# Altium PCB Dahlia Carrier Board.PcbDoc (part 5 of 10)
Units mm, origin at the board's own origin, x right, y up, seen from the top; angles counter-clockwise.
Board outline 120 x 120 mm, 6 copper layers (Top Layer, GND, Layer 1, Layer 2, GND2, Bottom Layer), stack 1.558 mm thick; 879 components, 677 nets, 3194 pads, 1445 vias.
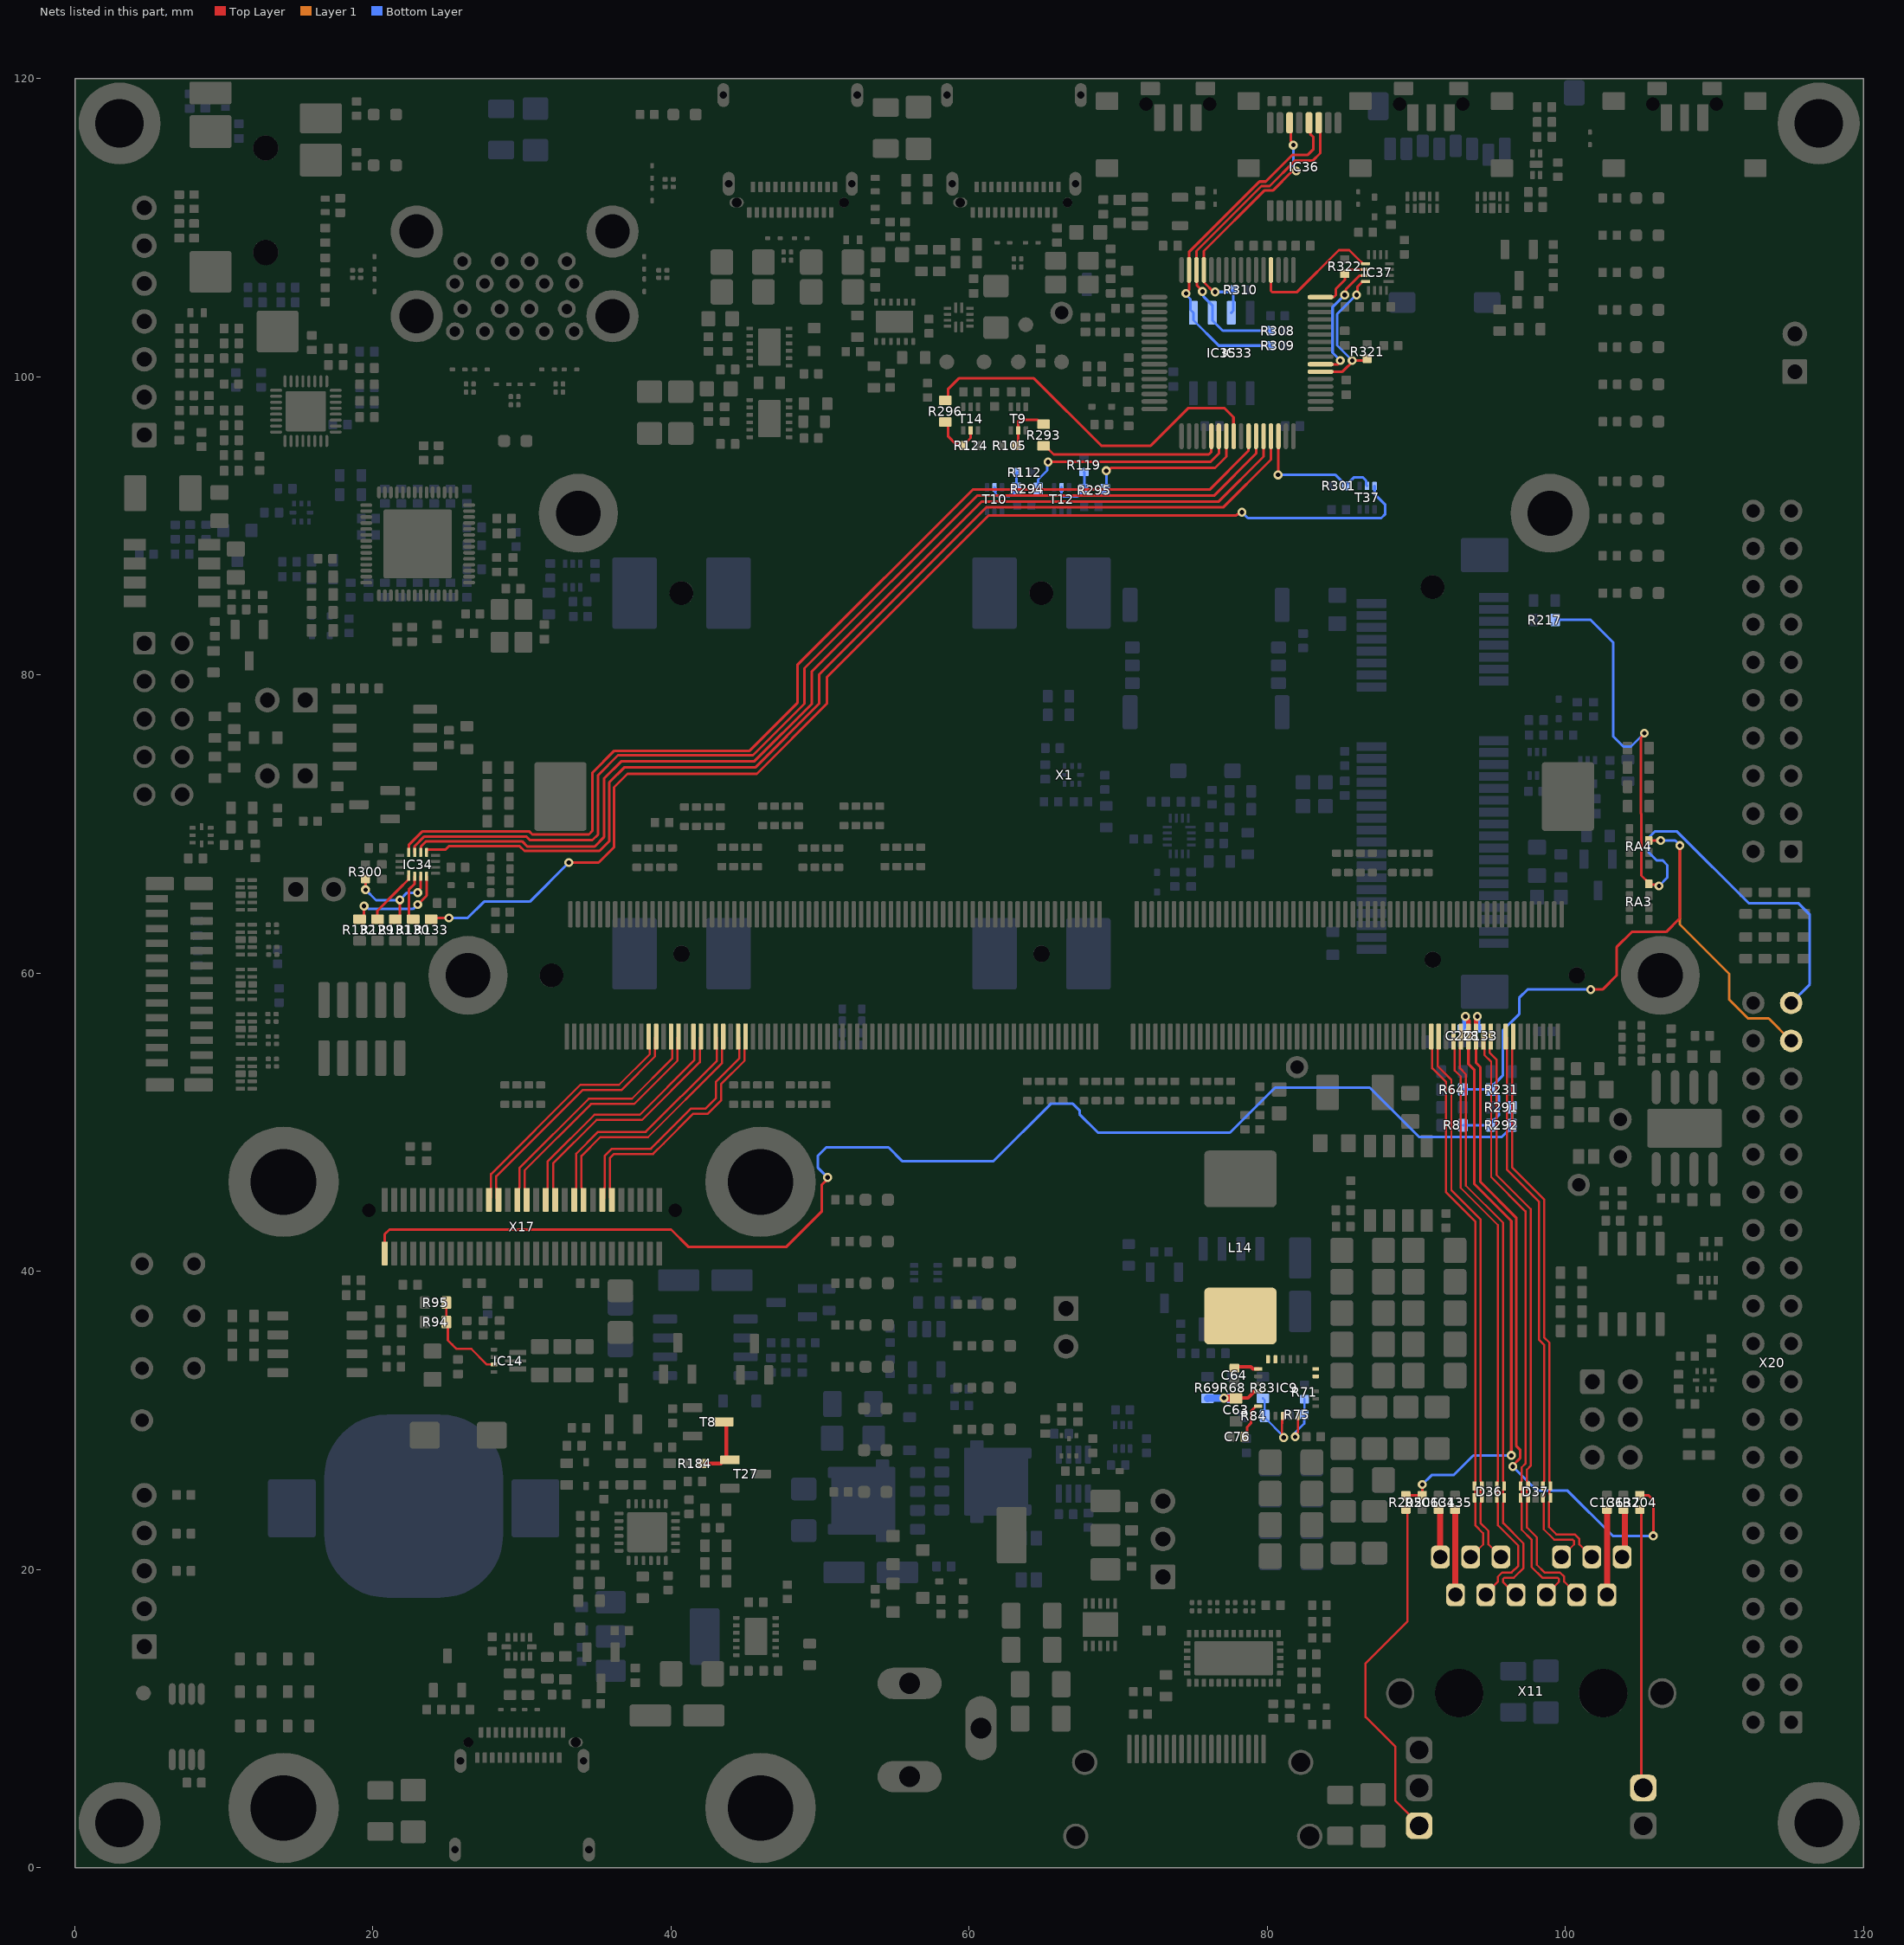
[diagram p9: the nets of this part, all layers, seen from the top]

## Via types
v1: diameter 0.6, hole 0.3, Top Layer to Bottom Layer, tented both sides, 1316 vias
v2: diameter 0.6/0/0/0/0/0.6 (per signal layer), hole 0.3, Top Layer to Bottom Layer, tented both sides, 70 vias
v3: diameter 0.6, hole 0.3, Top Layer to Bottom Layer, 58 vias
v4: diameter 0.6/0.6/0.6/0.6/0.6/0.6 (per signal layer), hole 0.3, Top Layer to Bottom Layer, tented both sides, 1 vias

## Nets (pads, with @x,y where several pads share a name; then routed paths per layer and width w, separated by ;. In a path a pad name is that pad's centre, name@x,y a point inside that pad or via, vN(x,y) a via of type N, cw(c..) or ccw(c..) an arc to the next point about the centre after c; other vN are vias at no path point) (continued)
CTRL_SLEEP_MOCI#: R8.1 R64.1 R231.1 R292.2 RA4.6 X20.37 | length 51.9
  Top Layer w0.15: RA4.6@105.6,68.9 v1(106.4,68.9)
  Top Layer w0.175: v1(101.7,58.9) 102.5,58.9 103.437,59.837 103.437,61.737 104.463,62.763 106.763,62.763 107.684,63.684 v1(107.684,68.557)
  Layer 1 w0.175: v1(107.684,68.557) 107.684,63.266 110.987,59.963 110.987,58.226 112.25,56.963 113.647,56.963 X20.37@115.15,55.46
  Bottom Layer w0.175: R8.1@93.125,49.8 R292.2@94.975,49.8 94.975,49.9 95.55,50.475 95.55,51.76 95.447,51.862 95.212,51.862 94.975,52.1 R231.1@94.975,52.2 ; R64.1@93.125,52.2 R231.1@94.975,52.2 ; v1(101.7,58.9) 97.46,58.9 96.9,58.34 96.9,57.25 95.802,56.152 95.802,55.375 95.8,55.373 95.8,53.125 94.975,52.3 R231.1@94.975,52.2 ; v1(106.4,68.9) 107.376,68.9 107.684,68.592 v1(107.684,68.557)
CTRL_WAKE1_MICO#: R217.1 RA3.5 X20.39 | length 48.9
  Top Layer w0.175: v1(105.3,76.1) 105.3,76.022 105.062,75.785 105.062,70.724 105.1,70.687 105.1,66.55 105.6,66.05 RA3.5@105.6,66.038 ; RA3.5@105.6,66 RA3.5@105.6,66.038 ; v1(106.284,65.857) 106.212,65.928 105.709,65.928 RA3.5@105.6,66.038
  Layer 1 w0.175: X20.39@115.15,58 X20.39@115.3,58.15
  Bottom Layer w0.175: R217.1@99.325,83.7 101.7,83.7 103.2,82.2 103.2,75.9 103.9,75.2 104.4,75.2 v1(105.3,76.1) ; v1(106.284,65.857) 106.842,66.415 106.842,67.25 106.518,67.574 106.109,67.574 105.6,68.084 105.6,69.1 106,69.5 107.5,69.5 112.3,64.7 115.627,64.7 116.402,63.925 116.402,59.252 X20.39@115.15,58
DBG_FORCE_OFF#: R105.1 R293.2 T9.2 | length 3.5
  Top Layer w0.175: R105.1@63.18,95.4 63.18,95.5 63.277,95.597 63.277,95.703 63.3,95.725 T9.2@63.3,96.41 ; T9.2@63.252,96.463 63.287,96.497 63.287,97.022 63.39,97.125 64.6,97.125 64.9,96.825 R293.2@65,96.825
DBG_PWR_BTN#: R119.1 R295.2 T12.2 | length 3.5
  Bottom Layer w0.175: T12.2@66.2,92.59 66.2,92.1 66.325,91.975 67.25,91.975 67.337,92.063 67.437,92.063 67.675,92.3 R295.2@67.675,92.4 67.72,92.445 67.72,93.6 R119.1@67.7,93.62
DBG_RECOVERY#: R124.1 R296.2 T14.2 | length 3.5
  Top Layer w0.175: R296.2@58.4,96.975 58.6,96.775 58.6,96 59.1,95.5 59.472,95.5 59.572,95.4 R124.1@59.62,95.4 59.62,95.425 60.1,95.905 T14.2@60.1,96.41
DBG_RESET#: R112.1 R294.2 T10.2 | length 3.3
  Bottom Layer w0.175: T10.2@61.7,92.59 61.762,92.528 61.762,92.138 61.875,92.025 62.7,92.025 62.837,92.163 62.937,92.163 63.175,92.4 R294.2@63.175,92.5 63.175,93.555 R112.1@63.22,93.6
DCDC1_FB1: IC9.5 R71.1 R75.2 | length 4.3
  Top Layer w0.15: v1(81.875,28.9) 81.875,29.022 82.05,29.197 IC9.5@82.05,30.3
  Bottom Layer w0.15: v1(81.875,28.9) 81.875,29.175 82.48,29.78 R75.2@82.48,30.4 82.5,30.42 R71.1@82.5,31.42
DCDC1_LX: C64.1 IC9.10 IC9.11 IC9.16 IC9.17 IC9.18 L14.1 | length 1.7
  Top Layer w0.25: C64.1@77.8,33.515 77.885,33.6 78.9,33.6 79.05,33.45 IC9.18@79.4,33.45
DCDC1_PFM: IC9.3 R83.2 R84.1 | length 4.7
  Top Layer w0.15: IC9.3@81.05,30.3 81,30.25 81,29.808 80.999,29.807 80.999,29.073 81.1,28.972 v1(81.1,28.85)
  Bottom Layer w0.15: R83.2@79.7,31.475 79.825,31.35 R84.1@79.825,30.3 79.825,30.2 81.1,28.925 v1(81.1,28.85)
DCDC1_SS: C76.2 IC9.22 | length 2.5
  Top Layer w0.175: C76.2@78.49,28.9 78.664,29.074 78.664,29.564 78.9,29.8 78.9,30.6 79.25,30.95 IC9.22@79.4,30.95
DCDC1_VCC: C63.2 IC9.21 R68.2 R69.1 | length 4.2
  Top Layer w0.25: C63.2@77.894,31.481 77.913,31.5 78.7,31.5 79.15,31.95 IC9.21@79.4,31.95
  Top Layer w0.5: v1(77.1,31.5) 77.875,31.5 77.887,31.488 C63.2@77.9,31.475
  Bottom Layer w0.5: R69.1@76,31.475 76.012,31.488 77.087,31.488 v1(77.1,31.5) 77.112,31.488 77.688,31.488 R68.2@77.7,31.475
DCDC2_PFM: IC14.6 R94.2 R95.1 | length 6.3
  Top Layer w0.15: R95.1@24.925,37.9 24.925,36.7 R94.2@24.925,36.6 25.025,36.5 25.025,35.375 25.321,35.079 25.321,35.075 25.575,34.821 25.579,34.821 25.6,34.8 26.6,34.8 27.65,33.75 IC14.6@28.12,33.75
DSI_1_CLK_N: X1.35 X17.26 | length 16.9
  Top Layer w0.144: X17.26@31.588,44.8 31.715,44.928 31.715,45.6 31.728,45.612 31.728,47.378 34.85,50.5 37.899,50.5 41.573,54.174 41.573,55.677 X1.35@41.5,55.75
DSI_1_CLK_P: X1.37 X17.24 | length 16.9
  Top Layer w0.144: X17.24@32.223,44.8 32.095,44.928 32.095,45.6 32.082,45.612 32.082,47.231 34.997,50.146 38.046,50.146 41.927,54.027 41.927,55.677 X1.37@42,55.75
DSI_1_D0_N: X1.47 X17.14 | length 16.9
  Top Layer w0.144: X17.14@35.398,44.8 35.525,44.928 35.525,45.6 35.538,45.612 35.538,47.739 36.024,48.225 38.65,48.225 39.146,48.721 41.35,50.925 42.325,50.925 43,51.6 43,52.7 44.573,54.273 44.573,54.618 ; X1.47@44.5,55.75 44.573,55.677 44.573,54.618
DSI_1_D0_P: X1.49 X17.12 | length 16.9
  Top Layer w0.144: X17.12@36.033,44.8 35.905,44.928 35.905,45.6 35.892,45.612 35.892,47.592 36.171,47.871 38.797,47.871 39.5,48.574 41.497,50.571 42.472,50.571 43.354,51.453 43.354,52.553 44.927,54.126 44.927,54.471 ; 44.927,54.472 44.927,55.677 X1.49@45,55.75
DSI_1_D1_N: X1.41 X17.20 | length 16.8
  Top Layer w0.144: X17.20@33.493,44.8 33.62,44.928 33.62,45.6 33.633,45.612 33.633,47.883 35.104,49.354 38.304,49.354 43.073,54.123 43.073,55.677 X1.41@43,55.75
DSI_1_D1_P: X1.43 X17.18 | length 16.8
  Top Layer w0.144: X17.18@34.128,44.8 34,44.928 34,45.6 33.987,45.612 33.987,47.736 35.251,49 38.451,49 43.427,53.976 43.427,55.677 X1.43@43.5,55.75
DSI_1_D2_N: X1.29 X17.32 | length 17
  Top Layer w0.144: X17.32@29.683,44.8 29.81,44.928 29.81,45.6 29.823,45.612 29.823,46.924 34.478,51.579 37.378,51.579 40.073,54.274 40.073,55.677 X1.29@40,55.75
DSI_1_D2_P: X1.31 X17.30 | length 17
  Top Layer w0.144: X17.30@30.318,44.8 30.19,44.928 30.19,45.6 30.177,45.612 30.177,46.777 34.625,51.225 37.525,51.225 40.427,54.127 40.427,55.677 X1.31@40.5,55.75
DSI_1_D3_N: X1.23 X17.38 | length 17
  Top Layer w0.144: X17.38@27.778,44.8 27.905,44.928 27.905,45.6 27.918,45.612 27.918,46.519 33.909,52.51 36.509,52.51 38.573,54.574 38.573,55.677 X1.23@38.5,55.75
DSI_1_D3_P: X1.25 X17.36 | length 17
  Top Layer w0.144: X17.36@28.413,44.8 28.285,44.928 28.285,45.6 28.272,45.612 28.272,46.372 34.056,52.156 36.656,52.156 38.927,54.427 38.927,55.677 X1.25@39,55.75
DSI_1_PWR_EN: R291.1 R292.1 X17.59 | length 90.3
  Top Layer w0.175: X17.59@20.793,41.2 20.793,42.493 21.1,42.8 40,42.8 41.15,41.65 47.75,41.65 50.1,44 50.1,45.785 50.5,46.185 v1(50.5,46.3)
  Bottom Layer w0.175: v1(50.5,46.3) 49.859,46.941 49.859,47.759 50.413,48.312 54.588,48.312 55.5,47.4 61.64,47.4 65.477,51.237 66.963,51.237 67.4,50.8 67.4,50.54 68.64,49.3 77.5,49.3 80.525,52.325 86.877,52.325 90.202,49 95.725,49 96.425,49.7 R292.1@96.425,49.8 R291.1@96.425,51
EECLK: IC33.62 IC35.2 IC36.11 R308.1 | length 22.3
  Top Layer w0.175: v1(75.65,105.725) 75.65,105.775 75.274,106.151 75.274,107.151 IC33.62@75.25,107.175 75.25,108.448 79.604,112.802 80.155,112.802 81.853,114.5 83.05,114.5 83.55,115 IC36.11@83.55,117.05
  Bottom Layer w0.175: v1(75.65,105.725) 75.731,105.644 75.731,105.384 76.315,104.8 IC35.2@76.315,104.3 76.315,103.8 77.015,103.1 R308.1@80.22,103.1
EECS: IC33.63 IC35.1 IC36.12 R309.1 | length 23.8
  Top Layer w0.175: v1(74.55,105.6) 74.55,105.625 74.75,105.825 IC33.63@74.75,107.175 74.75,108.375 79.479,113.104 79.904,113.104 81.7,114.9 82.725,114.9 83.1,115.275 83.1,116.075 82.903,116.272 82.903,117.047 IC36.12@82.9,117.05
  Bottom Layer w0.175: v1(74.55,105.6) 74.55,105.525 74.849,105.226 74.849,104.496 IC35.1@75.045,104.3 75.045,103.8 76.745,102.1 R309.1@80.22,102.1
EEDATA: IC33.61 IC35.3 IC36.14 R310.2 | length 17.8
  Top Layer w0.175: v1(76.5,105.7) 76.403,105.7 75.774,106.329 75.774,107.151 IC33.61@75.75,107.175 75.75,108.45 79.8,112.5 80.373,112.5 81.684,113.811 v1(81.944,113.811) ; IC36.14@81.588,117.038 81.588,115.828 81.75,115.665 v1(81.75,115.55)
  Bottom Layer w0.175: v1(76.5,105.7) 77.57,105.7 R310.2@77.72,105.85 77.72,104.435 IC35.3@77.585,104.3 ; v1(81.75,115.55) 81.75,114.12 81.944,113.926 v1(81.944,113.811)
ETH_1_CTREF_0: C134.1 X11.12 | length 3.2
  Top Layer w0.4: C134.1@91.5,24.01 91.6,23.91 91.6,20.939 91.616,20.924 X11.12@91.616,20.84
ETH_1_CTREF_1: C135.1 X11.6 | length 5.7
  Top Layer w0.4: C135.1@92.6,24.01 92.616,23.994 92.616,18.316 X11.6@92.632,18.3
ETH_1_CTREF_2: C136.1 X11.1 | length 5.7
  Top Layer w0.4: X11.1@102.792,18.3 102.796,18.304 102.796,24.006 C136.1@102.8,24.01
ETH_1_CTREF_3: C137.1 X11.7 | length 3.3
  Top Layer w0.4: X11.7@103.808,20.84 103.891,20.84 104,20.949 104,23.91 C137.1@103.9,24.01
ETH_1_LED_1: C133.2 R204.2 X1.237 | length 47.4
  Top Layer w0.175: X1.237@94,55.75 94,54 94.3,53.7 94.3,46 96.7,43.6 96.7,28.3 96.961,28.039 96.961,27.461 96.475,26.975 v1(96.475,26.9) ; R204.2@105,24.98 105.57,24.98 105.9,24.65 v1(105.9,22.25)
  Top Layer w0.3: X1.237@94,55.75 94,56.919 94.1,57.019 v1(94.1,57.1)
  Bottom Layer w0.175: v1(96.475,26.9) 98.073,25.302 100.126,25.302 103.178,22.25 v1(105.9,22.25)
  Bottom Layer w0.3: v1(94.1,57.1) 94.157,57.043 94.157,56.43 94.297,56.29 C133.2@94.3,56.29
  Bottom Layer w0.5: v1@94.1,57.073 v1(94.1,57.1)
ETH_1_LED_1_C: R204.1 X11.13 | length 18.9
  Top Layer w0.175: R204.1@105,24.02 105.1,23.92 105.1,5.56 105.314,5.346 X11.13@105.23,5.346
ETH_1_LED_2: C228.2 R205.2 R206.2 X1.235 | length 40.2
  Top Layer w0.175: R205.2@89.3,24.98 R206.2@90.4,24.98 v1(90.4,25.7) ; X1.235@93.5,55.75 93.5,53.9 93.9,53.5 93.9,45.85 96.375,43.375 v1(96.375,27.65)
  Top Layer w0.3: v1(93.3,57.1) 93.3,57.001 93.5,56.801 X1.235@93.5,55.75
  Bottom Layer w0.175: v1(90.4,25.7) 91.025,26.325 92.5,26.325 93.825,27.65 v1(96.375,27.65)
  Bottom Layer w0.3: C228.2@93.1,56.29 93.103,56.29 93.243,56.43 93.243,57.043 v1(93.3,57.1)
  Bottom Layer w0.5: v1@93.3,57.073 v1(93.3,57.1)
ETH_1_LED_2_C: R205.1 X11.17 | length 24
  Top Layer w0.15: R205.1@89.3,24.02 89.4,23.92 89.4,16.5 86.6,13.7 86.6,10.1 88.6,8.1 88.6,4.483 90.235,2.848 90.277,2.806 X11.17@90.193,2.806
ETH_1_MDI0_N: D36.2 D36.9 X1.227 X11.10 | length 36.8
  Top Layer w0.144: X1.227@91.5,55.75 91.427,55.677 91.427,53.774 92.354,52.847 92.354,45.446 94.327,43.473 94.327,25.925 94.347,25.905 94.347,25.653 D36.9@94.4,25.6 94.4,25.413 94.327,25.34 94.327,25.06 94.4,24.987 D36.2@94.4,24.8 94.347,24.747 94.347,24.495 94.327,24.475 94.327,23.088 94.841,22.575 94.841,21.679 X11.10@95.68,20.84
ETH_1_MDI0_P: D36.1 D36.10 X1.225 X11.11 | length 36.8
  Top Layer w0.144: X1.225@91,55.75 91.073,55.677 91.073,53.627 92,52.7 92,45.299 93.973,43.326 93.973,25.925 93.953,25.905 93.953,25.653 D36.10@93.9,25.6 93.9,25.413 93.973,25.34 93.973,25.06 93.9,24.987 D36.1@93.9,24.8 93.953,24.747 93.953,24.495 93.973,24.475 93.973,22.942 94.487,22.428 94.487,21.679 X11.11@93.648,20.84
ETH_1_MDI1_N: D36.4 D36.7 X1.231 X11.5 | length 40.6
  Top Layer w0.144: X1.231@92.5,55.75 92.573,55.677 92.573,53.476 92.975,53.074 92.975,45.599 95.473,43.101 95.473,25.925 95.453,25.905 95.453,25.653 D36.7@95.4,25.6 95.4,25.413 95.473,25.34 95.473,25.06 95.4,24.987 D36.4@95.4,24.8 95.453,24.747 95.453,24.495 95.473,24.475 95.473,22.961 96.846,21.588 96.846,20.247 96.399,19.8 95.766,19.8 95.465,19.5 95.465,19.165 94.664,18.364 X11.5@94.664,18.3
ETH_1_MDI1_P: D36.5 D36.6 X1.233 X11.4 | length 40.7
  Top Layer w0.144: X1.233@93,55.75 92.927,55.677 92.927,53.623 93.329,53.221 93.329,45.746 95.827,43.248 95.827,25.925 95.847,25.905 95.847,25.653 D36.6@95.9,25.6 95.9,25.413 95.827,25.34 95.827,25.06 95.9,24.987 D36.5@95.9,24.8 95.847,24.747 95.847,24.495 95.827,24.475 95.827,23.107 97.2,21.734 97.2,20.1 96.546,19.446 95.912,19.446 95.819,19.353 95.819,19.176 X11.4@96.696,18.3
ETH_1_MDI2_N: D37.2 D37.9 X1.241 X11.2 | length 40.8
  Top Layer w0.144: X1.241@95,55.75 94.927,55.677 94.927,54.654 95.379,54.202 95.379,46.472 97.675,44.176 97.675,26.949 97.427,26.701 97.427,25.925 97.447,25.905 97.447,25.653 D37.9@97.5,25.6 97.5,25.413 97.427,25.34 97.427,25.06 97.5,24.987 D37.2@97.5,24.8 97.447,24.747 97.447,24.495 97.427,24.475 97.427,22.808 98.089,22.147 98.089,20.312 98.601,19.8 99.629,19.8 99.921,19.508 99.921,19.179 100.76,18.34 X11.2@100.76,18.3
ETH_1_MDI2_P: D37.1 D37.10 X1.239 X11.3 | length 40.8
  Top Layer w0.144: X1.239@94.5,55.75 94.573,55.677 94.573,54.506 ; 94.574,54.506 95.025,54.055 95.025,46.325 97.321,44.029 97.321,27.096 97.073,26.848 97.073,25.925 97.053,25.905 97.053,25.653 D37.10@97,25.6 97,25.413 97.073,25.34 97.073,25.06 97,24.987 D37.1@97,24.8 97.053,24.747 97.053,24.495 97.073,24.475 97.073,22.662 97.735,22 97.735,20.165 98.454,19.446 99.482,19.446 99.567,19.362 99.567,19.167 98.728,18.328 X11.3@98.728,18.3
ETH_1_MDI3_N: D37.4 D37.7 X1.245 X11.9 | length 38
  Top Layer w0.144: X1.245@96,55.75 96.073,55.677 96.073,46.827 98.221,44.679 98.221,35.419 98.573,35.067 98.573,25.925 98.553,25.905 98.553,25.653 D37.7@98.5,25.6 98.5,25.413 98.573,25.34 98.573,24.873 D37.4@98.5,24.8 98.553,24.747 98.553,24.475 98.553,22.695 99.248,22 100.483,22 100.583,21.9 100.583,21.679 X11.9@99.744,20.84
ETH_1_MDI3_P: D37.5 D37.6 X1.247 X11.8 | length 37.6
  Top Layer w0.144: X1.247@96.5,55.75 96.427,55.677 96.427,46.974 98.575,44.826 98.575,35.566 98.927,35.214 98.927,25.925 98.947,25.905 98.947,25.8 D37.6@99,25.747 ; D37.5@98.947,25.04 98.927,25.06 98.927,25.34 99,25.413 D37.6@99,25.6 ; D37.5@99,24.8 99,24.612 98.907,24.52 98.907,22.841 99.395,22.354 100.629,22.354 100.937,22.047 100.937,21.679 X11.8@101.776,20.84
FAULT: R184.1 T8.3 T27.1 | length 4.5
  Top Layer w0.25: R184.1@42.08,27.1 43.35,27.1 T27.1@43.6,27.35 ; T8.3@43.55,29.9 43.627,29.823 43.7,29.75 43.7,27.385 T27.1@43.95,27.35
FTDI_GPIOL0_3.3V: IC33.21 R293.1 | length 12.6
  Top Layer w0.175: R293.1@65,95.375 65.1,95.375 65.675,94.8 76.075,94.8 76.25,94.975 IC33.21@76.25,96.025
FTDI_GPIOL1_3.3V: IC33.22 R294.1 | length 15.1
  Top Layer w0.175: v1(65.298,94.288) 65.31,94.3 76.2,94.3 76.75,94.85 IC33.22@76.75,96.025
  Bottom Layer w0.175: R294.1@64.625,92.5 64.625,93.114 65.236,93.725 65.236,94.214 65.162,94.288 v1(65.298,94.288)
FTDI_GPIOL2_3.3V: IC33.23 R295.1 | length 11.1
  Top Layer w0.175: v1(69.2,93.7) 69.315,93.7 69.515,93.9 76.5,93.9 77.25,94.65 IC33.23@77.25,96.025
  Bottom Layer w0.175: R295.1@69.125,92.4 69.2,92.475 v1(69.2,93.7)
FTDI_GPIOL3_3.3V: IC33.24 R296.1 | length 24.7
  Top Layer w0.175: R296.1@58.4,98.425 58.6,98.625 58.6,99.2 59.3,99.9 64.347,99.9 68.861,95.386 72.186,95.386 74.715,97.915 77.113,97.915 77.735,97.292 77.735,96.04 IC33.24@77.75,96.025
FTDI_JTAG_3.3V_TCK: IC33.26 IC34.12 | length 72.7
  Top Layer w0.175: IC34.12@22.4,68.1 22.4,68.6 23.3,69.5 30.5,69.5 30.688,69.312 34.487,69.312 34.725,69.55 34.725,73.45 36.192,74.917 45.27,74.917 48.475,78.122 48.475,80.675 60.24,92.44 76.14,92.44 78.726,95.026 78.726,96.001 IC33.26@78.75,96.025
FTDI_JTAG_3.3V_TDI: IC33.27 IC34.11 | length 72.9
  Top Layer w0.175: IC34.11@22.8,68.1 22.8,68.525 23.45,69.175 30.275,69.175 30.525,68.925 34.725,68.925 35.1,69.3 35.1,73.275 36.44,74.615 45.49,74.615 48.95,78.075 48.95,80.45 60.533,92.033 76.433,92.033 79.25,94.85 IC33.27@79.25,96.025
FTDI_JTAG_3.3V_TDO: IC33.28 IC34.10 | length 73
  Top Layer w0.175: IC34.10@23.2,68.1 23.212,68.112 23.212,68.487 23.575,68.85 30,68.85 30.35,68.5 34.875,68.5 35.498,69.123 35.498,73.048 36.675,74.225 45.6,74.225 49.45,78.075 49.45,80.25 60.826,91.626 76.726,91.626 79.75,94.65 IC33.28@79.75,96.025
FTDI_JTAG_3.3V_TMS: IC33.29 IC34.9 | length 73
  Top Layer w0.175: IC34.9@23.6,68.1 23.6,68.27 23.612,68.282 24.853,68.282 25.085,68.515 29.843,68.515 30.159,68.198 35.198,68.198 35.85,68.85 35.85,72.8 36.85,73.8 45.652,73.8 49.925,78.073 49.925,80.025 61.143,91.243 77.043,91.243 80.25,94.45 IC33.29@80.25,96.025
FTDI_JTAG_3.3V_TRST#: IC33.30 R301.1 T37.2 | length 9.5
  Top Layer w0.175: v1(80.725,93.425) 80.75,93.45 IC33.30@80.75,96.025
  Bottom Layer w0.175: v1(80.725,93.425) 84.58,93.425 R301.1@85.28,92.725 ; R301.1@85.28,92.7 R301.1@85.28,92.725 ; T37.2@86.7,92.69 86.638,92.752 86.638,93.037 86.425,93.25 85.805,93.25 R301.1@85.28,92.725
FTDI_JTAG_TCK: IC34.1 R129.1 | length 3.8
  Top Layer w0.175: R129.1@20.3,63.625 20.3,64.2 21.7,65.6 22.387,66.287 22.387,66.537 IC34.1@22.4,66.55
FTDI_JTAG_TDI: IC34.2 R130.1 | length 3.2
  Top Layer w0.175: R130.1@22.7,63.625 22.637,63.625 22.4,63.863 22.4,65.6 22.8,66 IC34.2@22.8,66.5
FTDI_JTAG_TDO: IC34.3 R131.1 R300.1 | length 7.3
  Top Layer w0.175: v1(19.5,65.6) R300.1@19.5,66.32 ; R131.1@21.5,63.625 21.8,63.925 v1(21.8,64.915) ; v1(23,65.4) v1@23,65.476 ; v1@23,65.476 23.2,65.676 IC34.3@23.2,66.5
  Bottom Layer w0.175: v1(19.5,65.6) 20.2,64.9 21.785,64.9 v1(21.8,64.915) ; v1@21.838,64.9 21.838,64.953 22.285,65.4 v1(23,65.4)
FTDI_JTAG_TMS: IC34.4 R132.1 | length 7
  Top Layer w0.175: R132.1@19.1,63.625 19.4,63.925 v1(19.4,64.5) ; v1(23,64.6) 23.6,65.2 IC34.4@23.6,66.5
  Bottom Layer w0.175: v1(19.4,64.5) 19.515,64.5 19.715,64.3 22.685,64.3 22.985,64.6 v1(23,64.6)
FTDI_JTAG_TRST#: R133.1 T37.3 | length 81.2
  Top Layer w0.175: R133.1@23.9,63.625 23.975,63.7 v1(25.1,63.7) ; v1(33.14,67.415) 35.14,67.415 36.175,68.45 36.175,72.475 37.075,73.375 45.75,73.375 50.45,78.075 50.45,79.85 61.3,90.7 77.925,90.7 78.002,90.777 78.037,90.777 78.185,90.925 v1(78.3,90.925)
  Bottom Layer w0.175: v1(25.1,63.7) 26.35,63.7 27.45,64.8 30.525,64.8 v1(33.14,67.415) ; v1(78.3,90.925) 78.7,90.525 87.65,90.525 87.925,90.8 87.925,91.417 87.2,92.142 T37.3@87.2,92.69
FTDI_UARTC_RXD: IC33.39 IC37.11 | length 8.6
  Top Layer w0.175: IC33.39@83.575,100.85 84.747,100.85 84.769,100.871 84.769,101.069 84.8,101.1 v1(84.9,101.1) ; v1(85.2,105.5) 85.273,105.573 85.273,105.873 86.198,106.798 86.598,106.798 IC37.11@86.6,106.8
  Bottom Layer w0.175: v1(84.9,101.1) 84.383,101.617 84.383,104.683 v1(85.2,105.5)
FTDI_UARTC_TXD: IC33.38 IC37.12 R321.2 | length 10.1
  Top Layer w0.175: IC33.38@83.575,100.35 85.05,100.35 85.8,101.1 86.58,101.1 R321.2@86.7,101.22 ; v1(86,105.5) 86.062,105.562 86.062,106.063 86.388,106.388 86.588,106.388 IC37.12@86.6,106.4
  Bottom Layer w0.175: v1(85.7,101.1) 84.685,102.115 84.685,104.213 85.972,105.5 v1(86,105.5)
FTDI_UARTD_RXD: IC33.52 IC37.9 | length 9.3
  Top Layer w0.175: IC33.52@80.25,107.175 80.25,105.778 80.353,105.675 81.975,105.675 84.8,108.5 85.5,108.5 86.106,107.894 86.388,107.613 86.588,107.613 IC37.9@86.6,107.6
FTDI_UARTD_TXD: IC33.48 IC37.10 R322.1 | length 4.3
  Top Layer w0.175: IC33.48@83.575,105.35 83.599,105.374 84.486,105.374 84.6,105.488 84.6,105.9 85.2,106.5 R322.1@85.2,106.92 85.225,106.92 85.505,107.2 IC37.10@86.6,107.2